# KiCad board mse-50-idc-panel.kicad_pcb (continued)
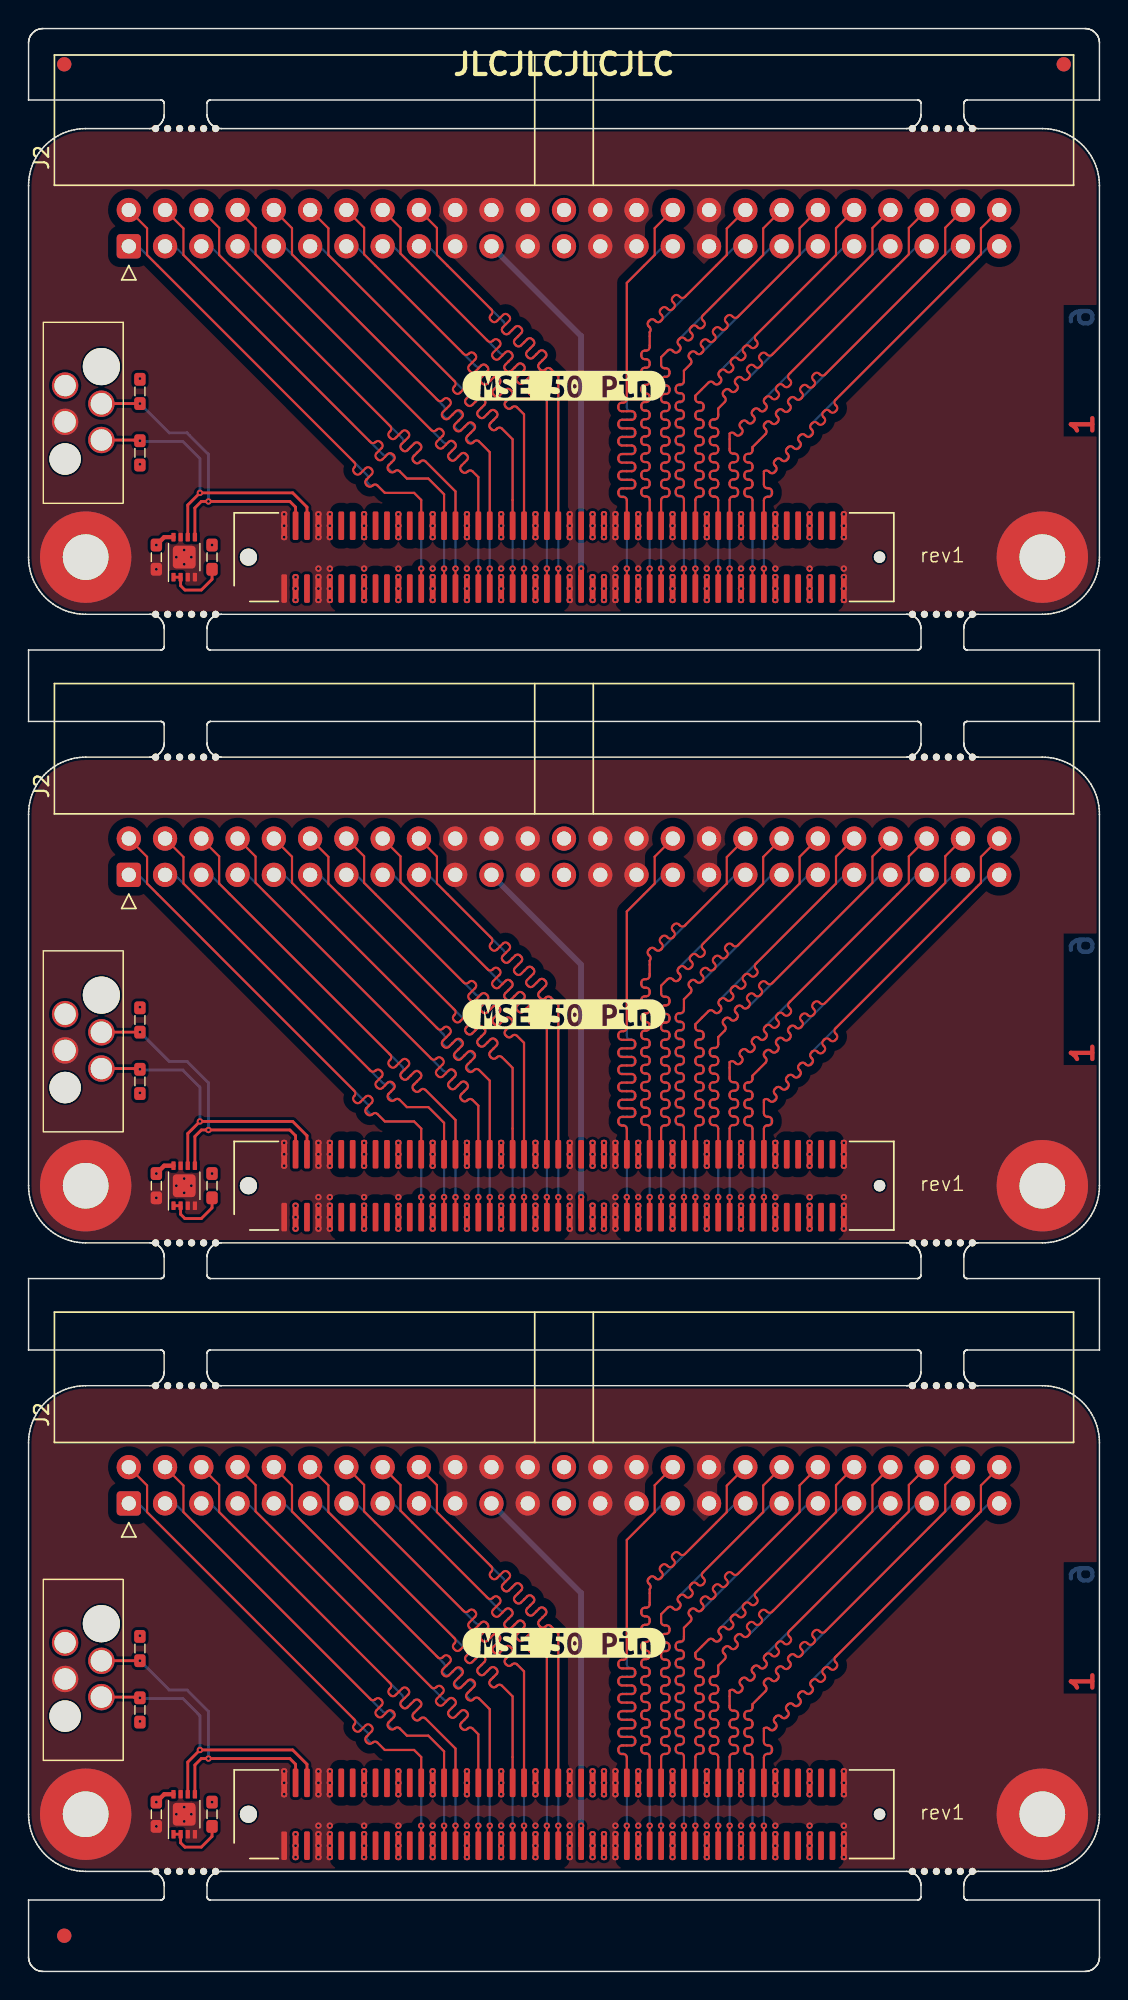
[diagram p0: board, top side]
## Routing (per net, layer and track width the routed paths; a pad name or vN(x,y) marks a point on that pad's centre or on a via; arc(x,y) is an arc through that point) (continued)
Board_0-/CON.ATN+: length 34.4
  Top w0.151: J1#3.61 v1(41.9,98.2)
  Bottom w0.151: J2#3.31 44.46,120.76 41.9,118.2 41.9,109.48 arc(41.97,109.31) 42.14,109.24 42.21,109.24 arc(42.38,109.17) 42.45,109 42.45,108.88 arc(42.38,108.71) 42.21,108.64 41.59,108.64 arc(41.42,108.57) 41.35,108.4 41.35,108.28 arc(41.42,108.11) 41.59,108.04 42.21,108.04 arc(42.38,107.97) 42.45,107.8 42.45,107.68 arc(42.38,107.51) 42.21,107.44 41.59,107.44 arc(41.42,107.37) 41.35,107.2 41.35,107.08 arc(41.42,106.91) 41.59,106.84 42.21,106.84 arc(42.38,106.77) 42.45,106.6 42.45,106.48 arc(42.38,106.31) 42.21,106.24 41.59,106.24 arc(41.42,106.17) 41.35,106 41.35,105.88 arc(41.42,105.71) 41.59,105.64 42.21,105.64 arc(42.38,105.57) 42.45,105.4 42.45,105.28 arc(42.38,105.11) 42.21,105.04 41.59,105.04 arc(41.42,104.97) 41.35,104.8 41.35,104.68 arc(41.42,104.51) 41.59,104.44 42.21,104.44 arc(42.38,104.37) 42.45,104.2 42.45,104.08 arc(42.38,103.91) 42.21,103.84 41.59,103.84 arc(41.42,103.77) 41.35,103.6 41.35,103.48 arc(41.42,103.31) 41.59,103.24 41.66,103.24 arc(41.83,103.17) 41.9,103 v1(41.9,98.2)
Board_0-/CON.ATN-: length 34
  Top w0.151: J2#3.32 43.85,122.03 43.85,120.15 41.9,118.2 41.9,110.05 arc(41.83,109.88) 41.66,109.81 41.55,109.81 arc(41.38,109.74) 41.31,109.57 41.31,109.45 arc(41.38,109.28) 41.55,109.21 42.25,109.21 arc(42.42,109.14) 42.49,108.97 42.49,108.85 arc(42.42,108.68) 42.25,108.61 41.55,108.61 arc(41.38,108.54) 41.31,108.37 41.31,108.25 arc(41.38,108.08) 41.55,108.01 42.25,108.01 arc(42.42,107.94) 42.49,107.77 42.49,107.65 arc(42.42,107.48) 42.25,107.41 41.55,107.41 arc(41.38,107.34) 41.31,107.17 41.31,107.05 arc(41.38,106.88) 41.55,106.81 42.25,106.81 arc(42.42,106.74) 42.49,106.57 42.49,106.45 arc(42.42,106.28) 42.25,106.21 41.55,106.21 arc(41.38,106.14) 41.31,105.97 41.31,105.85 arc(41.38,105.68) 41.55,105.61 42.25,105.61 arc(42.42,105.54) 42.49,105.37 42.49,105.25 arc(42.42,105.08) 42.25,105.01 41.55,105.01 arc(41.38,104.94) 41.31,104.77 41.31,104.65 arc(41.38,104.48) 41.55,104.41 42.25,104.41 arc(42.42,104.34) 42.49,104.17 42.49,104.05 arc(42.42,103.88) 42.25,103.81 41.55,103.81 arc(41.38,103.74) 41.31,103.57 41.31,103.45 arc(41.38,103.28) 41.55,103.21 41.66,103.21 arc(41.83,103.14) 41.9,102.97 J1#3.62
Board_0-/CON.BSY+: length 34.4
  Top w0.151: J1#3.65 v1(43.5,98.2)
  Bottom w0.151: v1(43.5,98.2) 43.5,103.03 arc(43.43,103.2) 43.26,103.27 43.17,103.27 arc(43,103.34) 42.93,103.51 42.93,103.63 arc(43,103.8) 43.17,103.87 43.26,103.87 arc(43.43,103.94) 43.5,104.11 43.5,104.23 arc(43.43,104.4) 43.26,104.47 43.17,104.47 arc(43,104.54) 42.93,104.71 42.93,104.83 arc(43,105) 43.17,105.07 43.26,105.07 arc(43.43,105.14) 43.5,105.31 43.5,105.43 arc(43.43,105.6) 43.26,105.67 43.17,105.67 arc(43,105.74) 42.93,105.91 42.93,106.03 arc(43,106.2) 43.17,106.27 43.26,106.27 arc(43.43,106.34) 43.5,106.51 43.5,106.63 arc(43.43,106.8) 43.26,106.87 43.17,106.87 arc(43,106.94) 42.93,107.11 42.93,107.23 arc(43,107.4) 43.17,107.47 43.26,107.47 arc(43.43,107.54) 43.5,107.71 43.5,107.83 arc(43.43,108) 43.26,108.07 43.17,108.07 arc(43,108.14) 42.93,108.31 42.93,108.43 arc(43,108.6) 43.17,108.67 43.26,108.67 arc(43.43,108.74) 43.5,108.91 43.5,109.03 arc(43.43,109.2) 43.26,109.27 43.17,109.27 arc(43,109.34) 42.93,109.51 42.93,109.63 arc(43,109.8) 43.17,109.87 43.26,109.87 arc(43.43,109.94) 43.5,110.11 43.5,110.23 arc(43.43,110.4) 43.26,110.47 43.17,110.47 arc(43,110.54) 42.93,110.71 42.93,110.83 arc(43,111) 43.17,111.07 43.26,111.07 arc(43.43,111.14) 43.5,111.31 43.5,111.43 arc(43.43,111.6) 43.26,111.67 43.17,111.67 arc(43,111.74) 42.93,111.91 42.93,112.03 arc(43,112.2) 43.17,112.27 43.26,112.27 arc(43.43,112.34) 43.5,112.51 43.5,112.63 arc(43.43,112.8) 43.26,112.87 43.17,112.87 arc(43,112.94) 42.93,113.11 42.93,113.23 arc(43,113.4) 43.17,113.47 43.26,113.47 arc(43.43,113.54) 43.5,113.71 43.5,114.75 arc(43.57,114.92) 43.5,115.09 43.44,115.16 arc(43.37,115.33) 43.44,115.49 43.52,115.58 arc(43.69,115.65) 43.86,115.58 43.92,115.52 arc(44.09,115.45) 44.26,115.52 49.51,120.76 J2#3.35
Board_0-/CON.BSY-: length 34
  Top w0.151: J1#3.66 43.5,103.02 arc(43.43,103.19) 43.26,103.26 43.15,103.26 arc(42.98,103.33) 42.91,103.5 42.91,103.62 arc(42.98,103.79) 43.15,103.86 43.26,103.86 arc(43.43,103.93) 43.5,104.1 43.5,104.22 arc(43.43,104.39) 43.26,104.46 43.15,104.46 arc(42.98,104.53) 42.91,104.7 42.91,104.82 arc(42.98,104.99) 43.15,105.06 43.26,105.06 arc(43.43,105.13) 43.5,105.3 43.5,105.42 arc(43.43,105.59) 43.26,105.66 43.15,105.66 arc(42.98,105.73) 42.91,105.9 42.91,106.02 arc(42.98,106.19) 43.15,106.26 43.26,106.26 arc(43.43,106.33) 43.5,106.5 43.5,106.62 arc(43.43,106.79) 43.26,106.86 43.15,106.86 arc(42.98,106.93) 42.91,107.1 42.91,107.22 arc(42.98,107.39) 43.15,107.46 43.26,107.46 arc(43.43,107.53) 43.5,107.7 43.5,107.82 arc(43.43,107.99) 43.26,108.06 43.15,108.06 arc(42.98,108.13) 42.91,108.3 42.91,108.42 arc(42.98,108.59) 43.15,108.66 43.26,108.66 arc(43.43,108.73) 43.5,108.9 43.5,109.02 arc(43.43,109.19) 43.26,109.26 43.15,109.26 arc(42.98,109.33) 42.91,109.5 42.91,109.62 arc(42.98,109.79) 43.15,109.86 43.26,109.86 arc(43.43,109.93) 43.5,110.1 43.5,110.22 arc(43.43,110.39) 43.26,110.46 43.15,110.46 arc(42.98,110.53) 42.91,110.7 42.91,110.82 arc(42.98,110.99) 43.15,111.06 43.26,111.06 arc(43.43,111.13) 43.5,111.3 43.5,111.42 arc(43.43,111.59) 43.26,111.66 43.15,111.66 arc(42.98,111.73) 42.91,111.9 42.91,112.02 arc(42.98,112.19) 43.15,112.26 43.26,112.26 arc(43.43,112.33) 43.5,112.5 43.5,112.62 arc(43.43,112.79) 43.26,112.86 43.15,112.86 arc(42.98,112.93) 42.91,113.1 42.91,113.22 arc(42.98,113.39) 43.15,113.46 43.26,113.46 arc(43.43,113.53) 43.5,113.7 43.5,114.75 arc(43.57,114.92) 43.5,115.09 43.42,115.17 arc(43.35,115.34) 43.42,115.51 43.51,115.59 arc(43.68,115.66) 43.85,115.59 43.92,115.52 arc(44.09,115.45) 44.26,115.52 44.35,115.6 arc(44.42,115.77) 44.35,115.94 44.27,116.02 arc(44.2,116.19) 44.27,116.36 44.36,116.44 arc(44.53,116.51) 44.7,116.44 44.77,116.36 arc(44.94,116.29) 45.11,116.36 45.2,116.45 arc(45.27,116.62) 45.2,116.79 45.12,116.86 arc(45.05,117.03) 45.12,117.2 45.21,117.29 arc(45.38,117.36) 45.55,117.29 45.62,117.21 arc(45.79,117.14) 45.96,117.21 48.9,120.15 48.9,122 J2#3.36
Board_0-/CON.C/D+: length 34.4
  Top w0.151: J1#3.79 v1(49.1,98.2)
  Bottom w0.151: J2#3.45 62.21,120.76 51.65,110.2 51.56,110.11 arc(51.49,109.94) 51.56,109.77 51.62,109.71 arc(51.69,109.54) 51.62,109.37 51.54,109.29 arc(51.37,109.22) 51.2,109.29 51.14,109.35 arc(50.97,109.42) 50.8,109.35 50.71,109.26 arc(50.64,109.09) 50.71,108.92 50.77,108.86 arc(50.84,108.69) 50.77,108.52 50.69,108.44 arc(50.52,108.37) 50.35,108.44 50.29,108.5 arc(50.12,108.57) 49.95,108.5 49.86,108.42 arc(49.79,108.25) 49.86,108.08 49.93,108.01 arc(50,107.84) 49.93,107.67 49.84,107.59 arc(49.67,107.52) 49.5,107.59 49.44,107.65 arc(49.27,107.72) 49.1,107.65 49.1,106.47 arc(49.17,106.3) 49.34,106.23 49.43,106.23 arc(49.6,106.16) 49.67,105.99 49.67,105.87 arc(49.6,105.7) 49.43,105.63 49.34,105.63 arc(49.17,105.56) 49.1,105.39 49.1,105.27 arc(49.17,105.1) 49.34,105.03 49.43,105.03 arc(49.6,104.96) 49.67,104.79 49.67,104.67 arc(49.6,104.5) 49.43,104.43 49.34,104.43 arc(49.17,104.36) 49.1,104.19 49.1,104.07 arc(49.17,103.9) 49.34,103.83 49.43,103.83 arc(49.6,103.76) 49.67,103.59 49.67,103.47 arc(49.6,103.3) 49.43,103.23 49.34,103.23 arc(49.17,103.16) 49.1,102.99 v1(49.1,98.2)
Board_0-/CON.C/D-: length 34
  Top w0.151: J2#3.46 61.65,122.05 61.65,120.2 53.34,111.89 53.26,111.81 arc(53.19,111.64) 53.26,111.47 53.34,111.39 arc(53.41,111.22) 53.34,111.05 53.25,110.96 arc(53.08,110.89) 52.91,110.96 52.83,111.05 arc(52.66,111.12) 52.49,111.05 52.41,110.96 arc(52.34,110.79) 52.41,110.62 52.49,110.54 arc(52.56,110.37) 52.49,110.2 52.41,110.12 arc(52.24,110.05) 52.07,110.12 51.98,110.2 arc(51.82,110.27) 51.65,110.2 51.56,110.11 arc(51.49,109.94) 51.56,109.77 51.64,109.69 arc(51.71,109.52) 51.64,109.35 51.56,109.27 arc(51.39,109.2) 51.22,109.27 51.14,109.35 arc(50.97,109.42) 50.8,109.35 50.71,109.26 arc(50.64,109.09) 50.71,108.92 50.79,108.84 arc(50.86,108.67) 50.79,108.5 50.71,108.42 arc(50.54,108.35) 50.37,108.42 50.29,108.5 arc(50.12,108.57) 49.95,108.5 49.86,108.42 arc(49.79,108.25) 49.86,108.08 49.95,107.99 arc(50.02,107.83) 49.95,107.66 49.86,107.57 arc(49.69,107.5) 49.52,107.57 49.44,107.65 arc(49.27,107.72) 49.1,107.65 49.1,106.49 arc(49.17,106.32) 49.34,106.25 49.46,106.25 arc(49.62,106.18) 49.7,106.01 49.7,105.89 arc(49.62,105.72) 49.46,105.65 49.34,105.65 arc(49.17,105.58) 49.1,105.41 49.1,105.29 arc(49.17,105.12) 49.34,105.05 49.46,105.05 arc(49.62,104.98) 49.7,104.81 49.7,104.69 arc(49.62,104.52) 49.46,104.45 49.34,104.45 arc(49.17,104.38) 49.1,104.21 49.1,104.09 arc(49.17,103.92) 49.34,103.85 49.46,103.85 arc(49.62,103.78) 49.7,103.61 49.7,103.49 arc(49.62,103.32) 49.46,103.25 49.34,103.25 arc(49.17,103.18) 49.1,103.01 J1#3.80
Board_0-/CON.DB0+: length 34.4
  Top w0.151: J1#3.25 v1(27.5,98.2)
  Bottom w0.151: v1(27.5,98.2) 27.5,103 27,103.5 24.95,103.5 24.41,104.05 arc(24.28,104.1) 24.16,104.05 arc(24.03,103.99) 23.91,104.05 23.73,104.22 arc(23.68,104.35) 23.73,104.47 arc(23.79,104.59) 23.73,104.72 23.56,104.89 7.69,120.76 J2#3.1
Board_0-/CON.DB0-: length 34
  Top w0.151: J1#3.26 27.5,103 27,103.5 24.95,103.5 24.43,104.02 arc(24.26,104.09) 24.09,104.02 24.07,104 arc(23.9,103.93) 23.73,104 23.65,104.08 arc(23.58,104.25) 23.65,104.42 24.03,104.81 arc(24.1,104.98) 24.03,105.15 23.95,105.23 arc(23.78,105.3) 23.61,105.23 23.22,104.84 arc(23.05,104.77) 22.88,104.84 22.8,104.93 arc(22.73,105.1) 22.8,105.27 22.82,105.29 arc(22.89,105.46) 22.82,105.63 22.74,105.72 8.3,120.15 8.3,122.02 J2#3.2
Board_0-/CON.DB1+: length 34.4
  Top w0.151: J1#3.29 v1(29.1,98.2)
  Bottom w0.151: J2#3.3 10.24,120.76 24.7,106.3 24.81,106.19 arc(24.96,106.13) 25.1,106.19 arc(25.24,106.25) 25.39,106.19 25.53,106.05 arc(25.58,105.91) 25.53,105.76 25.24,105.48 arc(25.18,105.33) 25.24,105.19 25.4,105.03 arc(25.55,104.97) 25.69,105.03 arc(25.83,105.09) 25.98,105.03 26.5,104.5 28,104.5 29.1,103.4 v1(29.1,98.2)
Board_0-/CON.DB1-: length 34
  Top w0.151: J1#3.30 29.1,103.4 28,104.5 26.5,104.5 25.99,105.01 arc(25.82,105.08) 25.65,105.01 25.63,105 arc(25.46,104.93) 25.3,105 25.21,105.08 arc(25.14,105.25) 25.21,105.42 25.58,105.79 arc(25.65,105.96) 25.58,106.13 25.49,106.22 arc(25.32,106.29) 25.15,106.22 24.79,105.85 arc(24.62,105.78) 24.45,105.85 24.36,105.93 arc(24.29,106.1) 24.36,106.27 24.73,106.64 arc(24.8,106.81) 24.73,106.98 24.64,107.06 arc(24.47,107.13) 24.3,107.06 24.29,107.05 arc(24.12,106.98) 23.95,107.05 23.87,107.14 10.85,120.15 10.85,122.01 J2#3.4
Board_0-/CON.DB2+: length 34.4
  Top w0.151: J1#3.31 v1(29.9,98.2)
  Bottom w0.151: J2#3.5 12.74,120.76 26.09,107.41 26.17,107.33 arc(26.24,107.16) 26.17,106.99 26.09,106.91 arc(26.02,106.74) 26.09,106.57 26.18,106.49 arc(26.35,106.42) 26.52,106.49 27.02,106.98 arc(27.19,107.05) 27.36,106.98 27.44,106.9 arc(27.51,106.73) 27.44,106.56 26.94,106.06 arc(26.87,105.89) 26.94,105.72 27.03,105.64 arc(27.2,105.57) 27.37,105.64 27.45,105.72 arc(27.62,105.79) 27.79,105.72 29.9,103.6 v1(29.9,98.2)
Board_0-/CON.DB2-: length 34
  Top w0.151: J1#3.32 29.9,103.6 27.8,105.7 arc(27.63,105.77) 27.46,105.7 27.39,105.63 arc(27.22,105.56) 27.05,105.63 26.96,105.72 arc(26.89,105.89) 26.96,106.06 27.44,106.54 arc(27.51,106.71) 27.44,106.88 27.36,106.96 arc(27.19,107.03) 27.02,106.96 26.54,106.48 arc(26.37,106.41) 26.2,106.48 26.11,106.57 arc(26.04,106.74) 26.11,106.91 26.6,107.39 arc(26.67,107.56) 26.6,107.73 26.51,107.81 arc(26.34,107.88) 26.17,107.81 25.69,107.33 arc(25.52,107.26) 25.35,107.33 25.27,107.42 arc(25.2,107.59) 25.27,107.75 25.34,107.83 arc(25.41,108) 25.34,108.17 25.25,108.25 13.35,120.15 13.35,122.05 J2#3.6
Board_0-/CON.DB3+: length 34.4
  Top w0.151: J1#3.35 v1(31.5,98.2)
  Bottom w0.151: v1(31.5,98.2) 31.5,104.6 31.1,105 arc(30.93,105.07) 30.76,105 30.74,104.98 arc(30.57,104.91) 30.4,104.98 30.31,105.07 arc(30.24,105.24) 30.31,105.4 30.7,105.79 arc(30.77,105.96) 30.7,106.13 30.61,106.21 arc(30.44,106.29) 30.27,106.21 29.89,105.83 arc(29.72,105.76) 29.55,105.83 29.46,105.91 arc(29.39,106.08) 29.46,106.25 29.85,106.64 arc(29.92,106.81) 29.85,106.98 29.76,107.06 arc(29.59,107.13) 29.42,107.06 29.4,107.04 arc(29.23,106.97) 29.06,107.04 28.98,107.12 15.34,120.76 J2#3.7
Board_0-/CON.DB3-: length 34
  Top w0.151: J1#3.36 31.5,104.6 31.1,105.01 arc(30.93,105.08) 30.76,105.01 30.72,104.97 arc(30.55,104.9) 30.38,104.97 30.29,105.05 arc(30.22,105.22) 30.29,105.39 30.71,105.81 arc(30.78,105.98) 30.71,106.15 30.62,106.23 arc(30.45,106.3) 30.29,106.23 29.87,105.82 arc(29.7,105.75) 29.53,105.82 29.45,105.9 arc(29.38,106.07) 29.45,106.24 29.86,106.66 arc(29.93,106.83) 29.86,107 29.78,107.08 arc(29.61,107.15) 29.44,107.08 29.02,106.67 arc(28.85,106.6) 28.68,106.67 28.6,106.75 arc(28.53,106.92) 28.6,107.09 29.01,107.5 arc(29.08,107.67) 29.01,107.84 28.93,107.93 arc(28.76,108) 28.59,107.93 28.55,107.89 arc(28.38,107.82) 28.21,107.89 28.13,107.98 15.9,120.2 15.9,122.04 J2#3.8
Board_0-/CON.DB4+: length 34.4
  Top w0.151: J1#3.37 v1(32.3,98.2)
  Bottom w0.151: v1(32.3,98.2) 32.3,106.35 31.54,107.11 arc(31.37,107.18) 31.2,107.11 31.19,107.1 arc(31.02,107.03) 30.85,107.1 30.76,107.18 arc(30.69,107.35) 30.76,107.52 31.13,107.89 arc(31.2,108.06) 31.13,108.23 31.05,108.31 arc(30.88,108.38) 30.71,108.31 30.34,107.94 arc(30.17,107.87) 30,107.94 29.91,108.03 arc(29.84,108.2) 29.91,108.37 30.28,108.74 arc(30.35,108.91) 30.28,109.08 30.2,109.16 arc(30.03,109.23) 29.86,109.16 29.49,108.79 arc(29.32,108.72) 29.15,108.79 29.06,108.88 arc(28.99,109.05) 29.06,109.22 29.08,109.23 arc(29.15,109.4) 29.08,109.57 17.89,120.76 J2#3.9
Board_0-/CON.DB4-: length 34
  Top w0.151: J1#3.38 32.3,106.35 31.55,107.1 arc(31.38,107.17) 31.21,107.1 31.13,107.02 arc(30.96,106.95) 30.79,107.02 30.71,107.11 arc(30.64,107.28) 30.71,107.45 31.21,107.95 arc(31.28,108.12) 31.21,108.29 31.12,108.37 arc(30.95,108.44) 30.78,108.37 30.28,107.87 arc(30.11,107.8) 29.94,107.87 29.86,107.96 arc(29.79,108.13) 29.86,108.3 30.36,108.8 arc(30.43,108.96) 30.36,109.13 30.27,109.22 arc(30.1,109.29) 29.93,109.22 29.43,108.72 arc(29.26,108.65) 29.09,108.72 29.01,108.8 arc(28.94,108.97) 29.01,109.14 29.51,109.64 arc(29.58,109.81) 29.51,109.98 29.42,110.07 arc(29.25,110.14) 29.08,110.07 29,109.99 arc(28.83,109.92) 28.66,109.99 18.45,120.2 18.45,122.03 J2#3.10
Board_0-/CON.DB5+: length 34.4
  Top w0.151: J1#3.41 v1(33.9,98.2)
  Bottom w0.151: J2#3.11 20.39,120.76 30.69,110.46 arc(30.76,110.29) 30.69,110.12 30.65,110.08 arc(30.58,109.91) 30.65,109.74 30.73,109.65 arc(30.9,109.58) 31.07,109.65 31.5,110.08 arc(31.67,110.15) 31.84,110.08 31.93,110 arc(32,109.83) 31.93,109.66 31.5,109.23 arc(31.42,109.06) 31.5,108.89 31.58,108.8 arc(31.75,108.73) 31.92,108.8 32.35,109.23 arc(32.52,109.3) 32.69,109.23 32.77,109.15 arc(32.84,108.98) 32.77,108.81 32.34,108.38 arc(32.27,108.21) 32.34,108.04 32.43,107.95 arc(32.6,107.88) 32.77,107.95 32.81,108 arc(32.98,108.07) 33.15,108 33.9,107.25 v1(33.9,98.2)
Board_0-/CON.DB5-: length 34
  Top w0.151: J2#3.12 21,122.02 21,120.15 29.84,111.31 arc(29.91,111.14) 29.84,110.97 29.79,110.92 arc(29.72,110.75) 29.79,110.58 29.87,110.5 arc(30.04,110.43) 30.21,110.5 30.65,110.94 arc(30.82,111.01) 30.99,110.94 31.08,110.85 arc(31.15,110.68) 31.08,110.51 30.64,110.07 arc(30.57,109.9) 30.64,109.73 30.72,109.65 arc(30.89,109.58) 31.06,109.65 31.5,110.09 arc(31.67,110.16) 31.84,110.09 31.93,110.01 arc(32,109.84) 31.93,109.67 31.49,109.23 arc(31.42,109.06) 31.49,108.89 31.57,108.8 arc(31.74,108.73) 31.91,108.8 32.35,109.24 arc(32.52,109.31) 32.69,109.24 32.77,109.16 arc(32.84,108.99) 32.77,108.82 32.33,108.38 arc(32.26,108.21) 32.33,108.04 32.42,107.95 arc(32.59,107.88) 32.76,107.95 32.81,108 arc(32.98,108.07) 33.15,108 33.9,107.25 J1#3.42
Board_0-/CON.DB6+: length 34.4
  Top w0.151: J1#3.43 v1(34.7,98.2)
  Bottom w0.151: J2#3.13 22.94,120.76 31.32,112.38 arc(31.49,112.31) 31.66,112.38 31.7,112.42 arc(31.86,112.49) 32.03,112.42 32.12,112.33 arc(32.19,112.16) 32.12,111.99 31.71,111.58 arc(31.64,111.41) 31.71,111.24 31.79,111.16 arc(31.96,111.09) 32.13,111.16 32.54,111.57 arc(32.71,111.64) 32.88,111.57 32.97,111.48 arc(33.04,111.31) 32.97,111.14 32.56,110.73 arc(32.49,110.56) 32.56,110.39 32.64,110.31 arc(32.81,110.24) 32.98,110.31 33.39,110.72 arc(33.56,110.79) 33.73,110.72 33.82,110.64 arc(33.89,110.47) 33.82,110.3 33.41,109.89 arc(33.34,109.72) 33.41,109.55 33.49,109.46 arc(33.66,109.39) 33.83,109.46 33.87,109.5 arc(34.04,109.57) 34.21,109.5 34.7,109 v1(34.7,98.2)
Board_0-/CON.DB6-: length 34
  Top w0.151: J1#3.44 34.7,109 34.21,109.49 arc(34.04,109.56) 33.87,109.49 33.83,109.45 arc(33.66,109.38) 33.49,109.45 33.4,109.53 arc(33.33,109.7) 33.4,109.87 33.83,110.3 arc(33.9,110.47) 33.83,110.64 33.74,110.72 arc(33.57,110.79) 33.4,110.72 32.98,110.3 arc(32.81,110.23) 32.64,110.3 32.56,110.38 arc(32.49,110.55) 32.56,110.72 32.98,111.15 arc(33.05,111.32) 32.98,111.49 32.9,111.57 arc(32.73,111.64) 32.56,111.57 32.13,111.15 arc(31.96,111.08) 31.79,111.15 31.71,111.23 arc(31.64,111.4) 31.71,111.57 32.13,111.99 arc(32.2,112.16) 32.13,112.33 32.05,112.42 arc(31.88,112.49) 31.71,112.42 31.28,111.99 arc(31.11,111.92) 30.94,111.99 30.86,112.08 arc(30.79,112.25) 30.86,112.42 31.28,112.84 arc(31.35,113.01) 31.28,113.18 31.2,113.27 arc(31.03,113.34) 30.86,113.27 30.82,113.22 arc(30.65,113.15) 30.48,113.22 23.5,120.2 23.5,122.06 J2#3.14
Board_0-/CON.DB7+: length 34.4
  Top w0.151: J1#3.47 v1(36.3,98.2)
  Bottom w0.151: v1(36.3,98.2) 36.3,110 35.9,110.4 arc(35.73,110.47) 35.56,110.4 35.51,110.34 arc(35.34,110.27) 35.17,110.34 35.08,110.43 arc(35.01,110.6) 35.08,110.77 35.53,111.22 arc(35.61,111.39) 35.53,111.56 35.45,111.64 arc(35.28,111.71) 35.11,111.64 34.66,111.19 arc(34.49,111.12) 34.32,111.19 34.24,111.28 arc(34.17,111.45) 34.24,111.62 34.69,112.07 arc(34.76,112.24) 34.69,112.41 34.6,112.49 arc(34.43,112.56) 34.26,112.49 33.81,112.04 arc(33.64,111.97) 33.47,112.04 33.39,112.12 arc(33.32,112.29) 33.39,112.46 33.84,112.91 arc(33.91,113.08) 33.84,113.25 33.75,113.34 arc(33.58,113.41) 33.41,113.34 33.36,113.28 arc(33.19,113.21) 33.02,113.28 25.54,120.76 J2#3.15
Board_0-/CON.DB7-: length 34
  Top w0.151: J1#3.48 36.3,110 35.9,110.4 arc(35.73,110.47) 35.56,110.4 35.5,110.34 arc(35.33,110.27) 35.16,110.34 35.08,110.43 arc(35.01,110.6) 35.08,110.77 35.53,111.23 arc(35.6,111.4) 35.53,111.57 35.45,111.65 arc(35.28,111.72) 35.11,111.65 34.65,111.19 arc(34.48,111.12) 34.31,111.19 34.23,111.28 arc(34.16,111.45) 34.23,111.62 34.69,112.08 arc(34.76,112.24) 34.69,112.41 34.6,112.5 arc(34.43,112.57) 34.26,112.5 33.8,112.04 arc(33.63,111.97) 33.46,112.04 33.38,112.13 arc(33.31,112.3) 33.38,112.46 33.84,112.92 arc(33.91,113.09) 33.84,113.26 33.75,113.35 arc(33.58,113.42) 33.41,113.35 32.95,112.89 arc(32.78,112.82) 32.61,112.89 32.53,112.97 arc(32.46,113.14) 32.53,113.31 32.99,113.77 arc(33.06,113.94) 32.99,114.11 32.9,114.2 arc(32.73,114.27) 32.56,114.2 32.5,114.14 arc(32.33,114.07) 32.17,114.14 26.05,120.25 26.05,122.05 J2#3.16
Board_0-/CON.DIFFSENSE: length 26.6
  Top w0.4: J1#3.53 v1(38.7,98.2)
  Bottom w0.4: J2#3.21 38.7,114.48 v1(38.7,98.2)
Board_0-/CON.DP0+: length 34.4
  Top w0.151: J1#3.49 v1(37.1,98.2)
  Bottom w0.151: J2#3.17 27.99,120.76 33.27,115.48 arc(33.34,115.31) 33.27,115.14 33.22,115.09 arc(33.15,114.92) 33.22,114.75 33.31,114.67 arc(33.47,114.6) 33.64,114.67 34.08,115.11 arc(34.25,115.18) 34.42,115.11 34.51,115.02 arc(34.58,114.85) 34.51,114.68 34.07,114.24 arc(34,114.07) 34.07,113.91 34.15,113.82 arc(34.32,113.75) 34.49,113.82 34.93,114.26 arc(35.1,114.33) 35.27,114.26 35.36,114.17 arc(35.43,114) 35.36,113.83 34.92,113.4 arc(34.85,113.23) 34.92,113.06 35,112.97 arc(35.17,112.9) 35.34,112.97 35.78,113.41 arc(35.95,113.48) 36.12,113.41 36.2,113.33 arc(36.27,113.16) 36.2,112.99 35.77,112.55 arc(35.7,112.38) 35.77,112.21 35.85,112.12 arc(36.02,112.05) 36.19,112.12 36.24,112.17 arc(36.41,112.24) 36.58,112.17 37.1,111.65 v1(37.1,98.2)
Board_0-/CON.DP0-: length 34
  Top w0.151: J2#3.18 28.6,122.04 28.6,120.15 32.42,116.33 arc(32.49,116.16) 32.42,116 32.37,115.94 arc(32.3,115.77) 32.37,115.6 32.45,115.52 arc(32.62,115.45) 32.79,115.52 33.23,115.96 arc(33.4,116.03) 33.57,115.96 33.66,115.88 arc(33.73,115.71) 33.66,115.54 33.21,115.09 arc(33.14,114.93) 33.21,114.76 33.3,114.67 arc(33.47,114.6) 33.64,114.67 34.08,115.11 arc(34.25,115.18) 34.42,115.11 34.51,115.03 arc(34.58,114.86) 34.51,114.69 34.06,114.25 arc(33.99,114.08) 34.06,113.91 34.15,113.82 arc(34.32,113.75) 34.49,113.82 34.93,114.26 arc(35.1,114.34) 35.27,114.26 35.35,114.18 arc(35.42,114.01) 35.35,113.84 34.91,113.4 arc(34.84,113.23) 34.91,113.06 35,112.97 arc(35.17,112.9) 35.34,112.97 35.78,113.42 arc(35.95,113.49) 36.12,113.42 36.2,113.33 arc(36.27,113.16) 36.2,112.99 35.76,112.55 arc(35.69,112.38) 35.76,112.21 35.84,112.12 arc(36.01,112.05) 36.18,112.12 36.24,112.18 arc(36.41,112.25) 36.58,112.18 37.1,111.65 J1#3.50
Board_0-/CON.I/O+: length 34.4
  Top w0.151: J1#3.85 v1(51.5,98.2)
  Bottom w0.151: v1(51.5,98.2) 51.5,103 arc(51.57,103.17) 51.74,103.24 51.79,103.24 arc(51.96,103.31) 52.03,103.48 52.03,103.6 arc(51.96,103.77) 51.79,103.84 51.74,103.84 arc(51.57,103.91) 51.5,104.08 51.5,105 arc(51.67,105.07) 51.84,105 51.87,104.97 arc(52.04,104.9) 52.21,104.97 52.3,105.05 arc(52.37,105.22) 52.3,105.39 52.26,105.43 arc(52.19,105.6) 52.26,105.77 52.35,105.85 arc(52.52,105.92) 52.69,105.85 52.72,105.82 arc(52.89,105.75) 53.06,105.82 53.15,105.9 arc(53.22,106.07) 53.15,106.24 53.11,106.27 arc(53.04,106.44) 53.11,106.61 53.2,106.7 arc(53.37,106.77) 53.54,106.7 53.57,106.67 arc(53.74,106.6) 53.91,106.67 53.99,106.75 arc(54.06,106.92) 53.99,107.09 53.96,107.12 arc(53.89,107.29) 53.96,107.46 54.05,107.55 arc(54.22,107.62) 54.38,107.55 54.42,107.51 arc(54.59,107.44) 54.76,107.51 54.84,107.6 arc(54.91,107.77) 54.84,107.94 54.81,107.97 arc(54.74,108.14) 54.81,108.31 54.89,108.4 67.26,120.76 J2#3.49
Board_0-/CON.I/O-: length 34
  Top w0.151: J2#3.50 66.7,122.02 66.7,120.2 56.59,110.09 56.51,110.01 arc(56.44,109.84) 56.51,109.67 56.57,109.6 arc(56.64,109.43) 56.57,109.26 56.49,109.18 arc(56.32,109.11) 56.15,109.18 56.08,109.24 arc(55.91,109.31) 55.74,109.24 55.66,109.16 arc(55.59,108.99) 55.66,108.82 55.72,108.76 arc(55.79,108.59) 55.72,108.42 55.64,108.33 arc(55.47,108.26) 55.3,108.33 55.23,108.4 arc(55.06,108.47) 54.89,108.4 54.81,108.31 arc(54.74,108.14) 54.81,107.97 54.87,107.91 arc(54.94,107.74) 54.87,107.57 54.79,107.48 arc(54.62,107.41) 54.45,107.48 54.38,107.55 arc(54.22,107.62) 54.05,107.55 53.96,107.46 arc(53.89,107.29) 53.96,107.12 54.03,107.06 arc(54.1,106.89) 54.03,106.72 53.94,106.63 arc(53.77,106.56) 53.6,106.63 53.54,106.7 arc(53.37,106.77) 53.2,106.7 53.11,106.61 arc(53.04,106.44) 53.11,106.27 53.18,106.21 arc(53.25,106.04) 53.18,105.87 53.09,105.79 arc(52.92,105.72) 52.75,105.79 52.69,105.85 arc(52.52,105.92) 52.35,105.85 52.26,105.77 arc(52.19,105.6) 52.26,105.43 52.33,105.36 arc(52.4,105.19) 52.33,105.02 52.24,104.94 arc(52.07,104.87) 51.9,104.94 51.84,105 arc(51.67,105.07) 51.5,105 51.5,104.06 arc(51.57,103.89) 51.74,103.82 51.83,103.82 arc(52,103.75) 52.07,103.58 52.07,103.46 arc(52,103.29) 51.83,103.22 51.74,103.22 arc(51.57,103.15) 51.5,102.98 J1#3.86
Board_0-/CON.MSG+: length 34.4
  Top w0.151: J1#3.73 v1(46.7,98.2)
  Bottom w0.151: J2#3.41 57.16,120.76 48.47,112.07 48.38,111.98 arc(48.31,111.82) 48.38,111.65 48.47,111.56 arc(48.54,111.39) 48.47,111.22 48.38,111.14 arc(48.21,111.07) 48.04,111.14 47.96,111.22 arc(47.79,111.29) 47.62,111.22 46.7,110.3 46.7,110.07 arc(46.77,109.9) 46.94,109.83 47.06,109.83 arc(47.23,109.76) 47.3,109.59 47.3,109.47 arc(47.23,109.3) 47.06,109.23 46.94,109.23 arc(46.77,109.16) 46.7,108.99 46.7,108.87 arc(46.77,108.7) 46.94,108.63 47.06,108.63 arc(47.23,108.56) 47.3,108.39 47.3,108.27 arc(47.23,108.1) 47.06,108.03 46.94,108.03 arc(46.77,107.96) 46.7,107.79 46.7,107.67 arc(46.77,107.5) 46.94,107.43 47.06,107.43 arc(47.23,107.36) 47.3,107.19 47.3,107.07 arc(47.23,106.9) 47.06,106.83 46.94,106.83 arc(46.77,106.76) 46.7,106.59 46.7,106.47 arc(46.77,106.3) 46.94,106.23 47.06,106.23 arc(47.23,106.16) 47.3,105.99 47.3,105.87 arc(47.23,105.7) 47.06,105.63 46.94,105.63 arc(46.77,105.56) 46.7,105.39 46.7,105.27 arc(46.77,105.1) 46.94,105.03 47.06,105.03 arc(47.23,104.96) 47.3,104.79 47.3,104.67 arc(47.23,104.5) 47.06,104.43 46.94,104.43 arc(46.77,104.36) 46.7,104.19 46.7,104.07 arc(46.77,103.9) 46.94,103.83 47.06,103.83 arc(47.23,103.76) 47.3,103.59 47.3,103.47 arc(47.23,103.3) 47.06,103.23 46.94,103.23 arc(46.77,103.16) 46.7,102.99 v1(46.7,98.2)
Board_0-/CON.MSG-: length 34
  Top w0.151: J2#3.42 56.55,122.03 56.55,120.15 51.01,114.62 50.93,114.53 arc(50.86,114.36) 50.93,114.19 50.99,114.13 arc(51.06,113.96) 50.99,113.79 50.91,113.7 arc(50.74,113.63) 50.57,113.7 50.5,113.77 arc(50.33,113.84) 50.16,113.77 50.08,113.68 arc(50.01,113.51) 50.08,113.34 50.15,113.28 arc(50.22,113.11) 50.15,112.94 50.06,112.85 arc(49.89,112.78) 49.72,112.85 49.66,112.92 arc(49.49,112.99) 49.32,112.92 49.23,112.83 arc(49.16,112.66) 49.23,112.49 49.3,112.43 arc(49.37,112.26) 49.3,112.09 49.21,112 arc(49.04,111.93) 48.87,112 48.81,112.07 arc(48.64,112.14) 48.47,112.07 48.38,111.98 arc(48.31,111.82) 48.38,111.65 48.45,111.58 arc(48.52,111.41) 48.45,111.24 48.36,111.16 arc(48.19,111.09) 48.02,111.16 47.96,111.22 arc(47.79,111.29) 47.62,111.22 46.7,110.3 46.7,110.08 arc(46.77,109.91) 46.94,109.84 47.03,109.84 arc(47.2,109.77) 47.27,109.6 47.27,109.48 arc(47.2,109.31) 47.03,109.24 46.94,109.24 arc(46.77,109.17) 46.7,109 46.7,108.88 arc(46.77,108.71) 46.94,108.64 47.03,108.64 arc(47.2,108.57) 47.27,108.4 47.27,108.28 arc(47.2,108.11) 47.03,108.04 46.94,108.04 arc(46.77,107.97) 46.7,107.8 46.7,107.68 arc(46.77,107.51) 46.94,107.44 47.03,107.44 arc(47.2,107.37) 47.27,107.2 47.27,107.08 arc(47.2,106.91) 47.03,106.84 46.94,106.84 arc(46.77,106.77) 46.7,106.6 46.7,106.48 arc(46.77,106.31) 46.94,106.24 47.03,106.24 arc(47.2,106.17) 47.27,106 47.27,105.88 arc(47.2,105.71) 47.03,105.64 46.94,105.64 arc(46.77,105.57) 46.7,105.4 46.7,105.28 arc(46.77,105.11) 46.94,105.04 47.03,105.04 arc(47.2,104.97) 47.27,104.8 47.27,104.68 arc(47.2,104.51) 47.03,104.44 46.94,104.44 arc(46.77,104.37) 46.7,104.2 46.7,104.08 arc(46.77,103.91) 46.94,103.84 47.03,103.84 arc(47.2,103.77) 47.27,103.6 47.27,103.48 arc(47.2,103.31) 47.03,103.24 46.94,103.24 arc(46.77,103.17) 46.7,103 J1#3.74
Board_0-/CON.REQ+: length 34.4
  Top w0.151: J1#3.83 v1(50.7,98.2)
  Bottom w0.151: J2#3.47 64.76,120.76 54.16,110.17 54.08,110.08 arc(53.91,110.01) 53.74,110.08 53.7,110.12 arc(53.53,110.19) 53.36,110.12 53.28,110.04 arc(53.21,109.87) 53.28,109.7 53.32,109.66 arc(53.39,109.49) 53.32,109.32 53.23,109.23 arc(53.06,109.16) 52.89,109.23 52.85,109.27 arc(52.68,109.34) 52.51,109.27 52.43,109.19 arc(52.36,109.02) 52.43,108.85 52.47,108.81 arc(52.54,108.64) 52.47,108.47 52.38,108.38 arc(52.21,108.31) 52.04,108.38 52,108.42 arc(51.83,108.5) 51.66,108.42 51.58,108.34 arc(51.51,108.17) 51.58,108 51.62,107.96 arc(51.69,107.79) 51.62,107.62 50.7,106.7 50.7,106.48 arc(50.63,106.31) 50.46,106.24 50.4,106.24 arc(50.23,106.17) 50.16,106 50.16,105.88 arc(50.23,105.71) 50.4,105.64 50.46,105.64 arc(50.63,105.57) 50.7,105.4 50.7,105.28 arc(50.63,105.11) 50.46,105.04 50.4,105.04 arc(50.23,104.97) 50.16,104.8 50.16,104.68 arc(50.23,104.51) 50.4,104.44 50.46,104.44 arc(50.63,104.37) 50.7,104.2 50.7,104.08 arc(50.63,103.91) 50.46,103.84 50.4,103.84 arc(50.23,103.77) 50.16,103.6 50.16,103.48 arc(50.23,103.31) 50.4,103.24 50.46,103.24 arc(50.63,103.17) 50.7,103 v1(50.7,98.2)
Board_0-/CON.REQ-: length 34
  Top w0.151: J2#3.48 64.2,122.06 64.2,120.2 55.86,111.86 55.78,111.78 arc(55.61,111.71) 55.44,111.78 55.37,111.84 arc(55.2,111.91) 55.03,111.84 54.95,111.76 arc(54.88,111.59) 54.95,111.42 55.01,111.35 arc(55.08,111.19) 55.01,111.02 54.93,110.93 arc(54.76,110.86) 54.59,110.93 54.52,110.99 arc(54.36,111.06) 54.19,110.99 54.1,110.91 arc(54.03,110.74) 54.1,110.57 54.16,110.51 arc(54.24,110.34) 54.16,110.17 54.08,110.08 arc(53.91,110.01) 53.74,110.08 53.68,110.15 arc(53.51,110.22) 53.34,110.15 53.25,110.06 arc(53.18,109.89) 53.25,109.72 53.32,109.66 arc(53.39,109.49) 53.32,109.32 53.23,109.23 arc(53.06,109.16) 52.89,109.23 52.83,109.3 arc(52.66,109.37) 52.49,109.3 52.4,109.21 arc(52.33,109.04) 52.4,108.87 52.47,108.81 arc(52.54,108.64) 52.47,108.47 52.38,108.38 arc(52.21,108.31) 52.04,108.38 51.98,108.45 arc(51.81,108.52) 51.64,108.45 51.56,108.36 arc(51.48,108.19) 51.56,108.02 51.62,107.96 arc(51.69,107.79) 51.62,107.62 50.7,106.7 50.7,106.47 arc(50.63,106.3) 50.46,106.23 50.37,106.23 arc(50.2,106.16) 50.13,105.99 50.13,105.87 arc(50.2,105.7) 50.37,105.63 50.46,105.63 arc(50.63,105.56) 50.7,105.39 50.7,105.27 arc(50.63,105.1) 50.46,105.03 50.37,105.03 arc(50.2,104.96) 50.13,104.79 50.13,104.67 arc(50.2,104.5) 50.37,104.43 50.46,104.43 arc(50.63,104.36) 50.7,104.19 50.7,104.07 arc(50.63,103.9) 50.46,103.83 50.37,103.83 arc(50.2,103.76) 50.13,103.59 50.13,103.47 arc(50.2,103.3) 50.37,103.23 50.46,103.23 arc(50.63,103.16) 50.7,102.99 J1#3.84
